# Altium PCB ArduinoZeroV4.0.PcbDoc (part 1 of 2)
Units mm, origin at the board's own origin, x right, y up, seen from the top; angles counter-clockwise.
Board outline 68.58 x 53.34 mm, 4 copper layers (Top, Route2, Route15, Bottom), stack 0.925 mm thick; 124 components, 100 nets, 476 pads, 157 vias.
Unrouted connection lines stored in the file: 8.
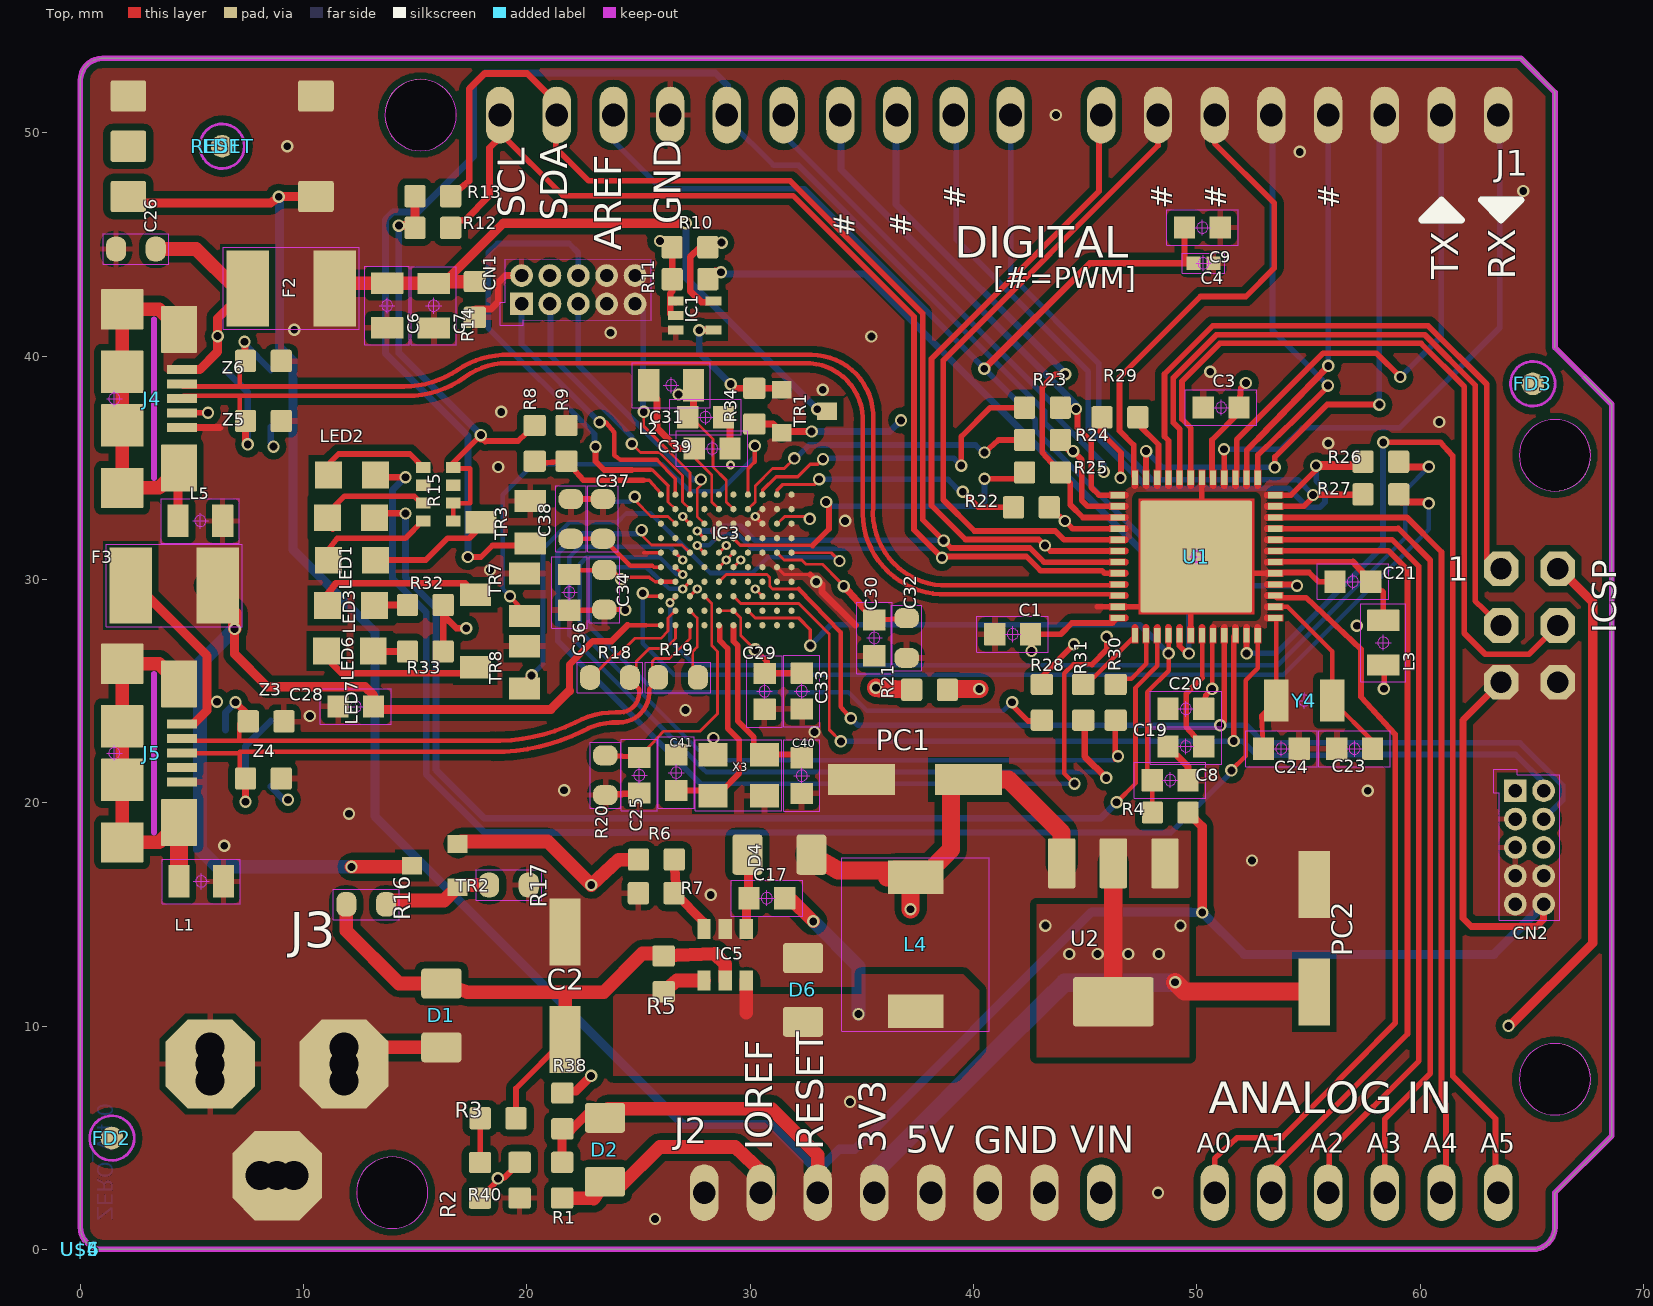
[diagram p0: Top view]
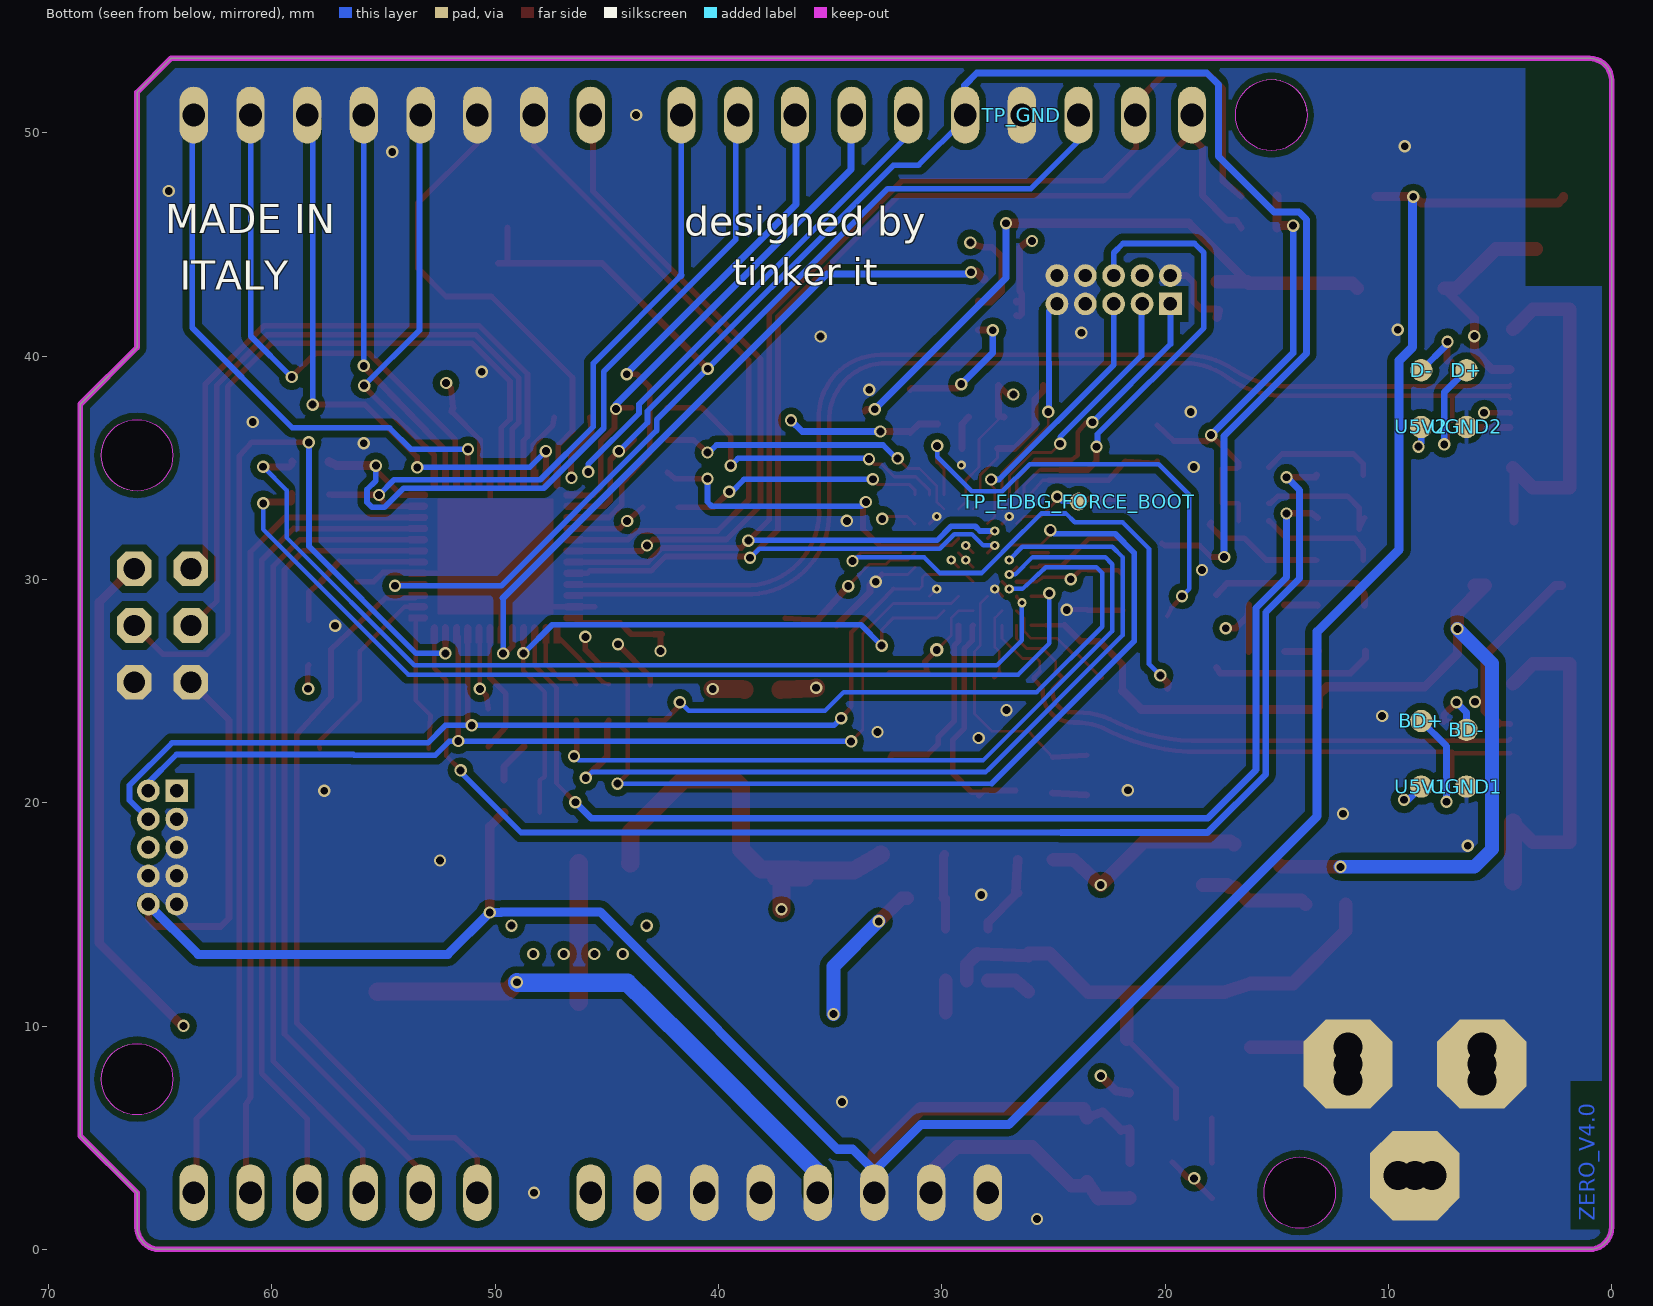
[diagram p1: Bottom view, seen from below]
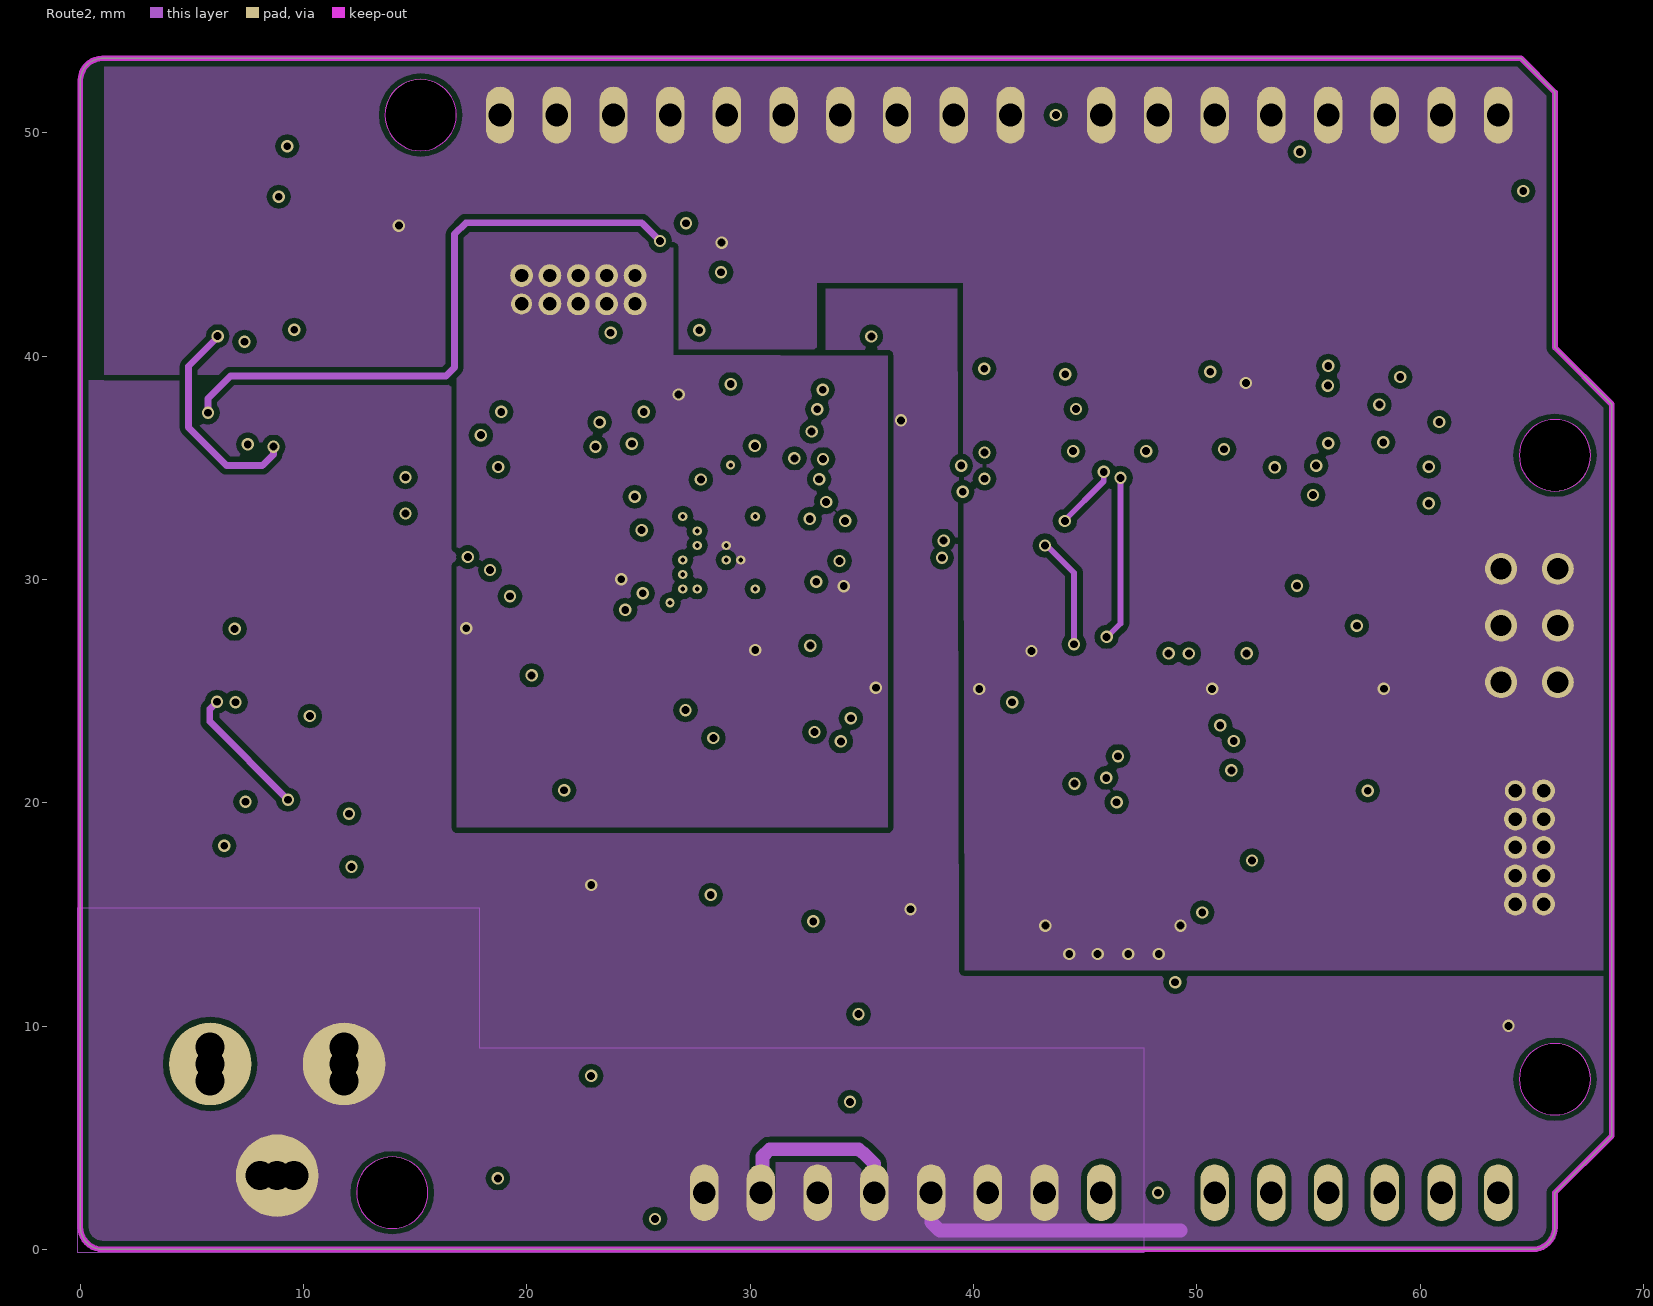
[diagram p2: Route2]
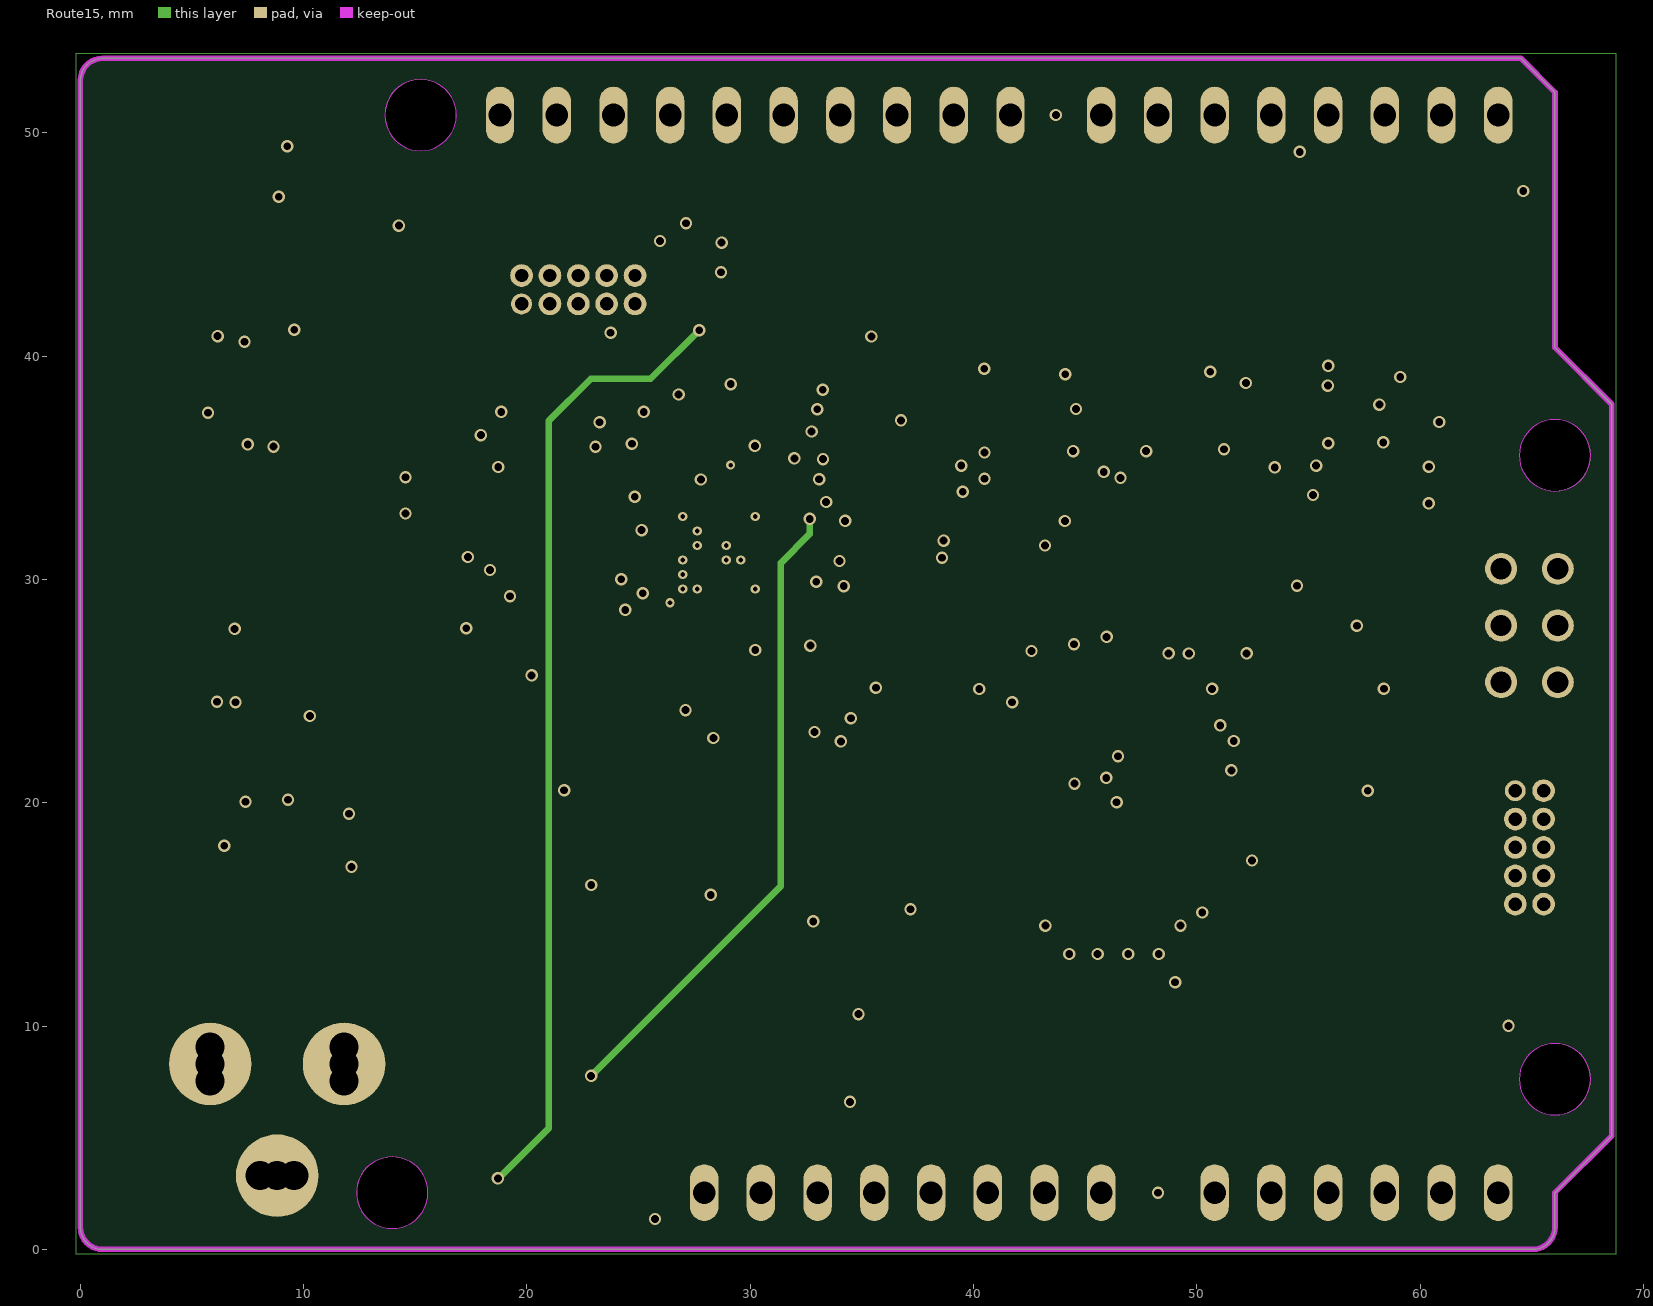
[diagram p3: Route15]

## Layer stack, top to bottom
Top Solder: solder mask 0.0102, Solder Resist, Dk 3.5
Top: signal copper 0.035
Dielectric 1: core 0.2, FR-4, Dk 4.8
Route2: signal copper 0.0175
Dielectric2: core 0.3, FR-4, Dk 4.8
Route15: signal copper 0.0175
Dielectric3: dielectric 0.32, FR-4, Dk 4.8
Bottom: signal copper 0.035
Bottom Solder: solder mask 0.0102, Solder Resist, Dk 3.5

## Board outline
64.516,53.34 66.04,51.816 66.04,40.386 68.58,37.846 68.58,5.08 66.04,2.54 66.04,1 cw(c65.04,1) 65.04,0 1,0 cw(c1,1) 0,1 0,52.34 cw(c1,52.34) 1,53.34
cut-out: 15.24,49.2 ccw(c15.24,50.8) 16.84,50.8 ccw(c15.24,50.8) 15.24,52.4 ccw(c15.24,50.8) 13.64,50.8 ccw(c15.24,50.8)
cut-out: 13.97,0.94 ccw(c13.97,2.54) 15.57,2.54 ccw(c13.97,2.54) 13.97,4.14 ccw(c13.97,2.54) 12.37,2.54 ccw(c13.97,2.54)
cut-out: 66.04,33.96 ccw(c66.04,35.56) 67.64,35.56 ccw(c66.04,35.56) 66.04,37.16 ccw(c66.04,35.56) 64.44,35.56 ccw(c66.04,35.56)
cut-out: 66.04,6.02 ccw(c66.04,7.62) 67.64,7.62 ccw(c66.04,7.62) 66.04,9.22 ccw(c66.04,7.62) 64.44,7.62 ccw(c66.04,7.62)

## Design rules (kind name [scope] priority, off if disabled: settings)
BoardOutlineClearance mdCopperDimension [All] p1: gap=0.254 ignorepadtopadclearanceinfootprint=FALSE except(0: Arc-SplitContinuation Track-SplitContinuation SMDPad-SplitContinuation THPad-SplitContinuation Via-SplitContinuation Fill-SplitContinuation Poly-SplitContinuation Region-SplitContinuation Text-SplitContinuation)
Clearance Clearance_for_PolygonClass_Isolate_12 [InPolygonClass('Isolate_12') vs IsArc Or IsTrack Or IsPad Or IsVia Or IsFill Or IsRegion Or IsText] p1: gap=0.305 ignorepadtopadclearanceinfootprint=FALSE
Clearance Clearance_for_PolygonClass_Isolate_10 [InPolygonClass('Isolate_10') vs IsArc Or IsTrack Or IsPad Or IsVia Or IsFill Or IsRegion Or IsText] p2: gap=0.254 ignorepadtopadclearanceinfootprint=FALSE
Clearance "Clearance (Same Net)" [All] p3: gap=0.127 ignorepadtopadclearanceinfootprint=FALSE
Clearance Clearance_for_NetClass_USBpair_And_default [InNetClass('USBpair') vs IsArc Or IsTrack Or IsPad Or IsVia Or IsFill Or IsRegion Or IsText] p4: gap=0.076 ignorepadtopadclearanceinfootprint=FALSE
Clearance Clearance_for_NetClass_usbvcc [InNetClass('usbvcc') vs InNetClass('usbvcc')] p5: gap=0.178 ignorepadtopadclearanceinfootprint=FALSE
Clearance Clearance_for_NetClass_gnd [InNetClass('gnd') vs InNetClass('gnd')] p6: gap=0.178 ignorepadtopadclearanceinfootprint=FALSE
Clearance Clearance_for_NetClass_USB [InNetClass('USB') vs InNetClass('USB')] p7: gap=0.178 ignorepadtopadclearanceinfootprint=FALSE
Clearance [All] p8: gap=0.127 ignorepadtopadclearanceinfootprint=FALSE except(0.076: THPad-THPad THPad-Via Via-Via)
HoleSize HoleSize_For_NetClass_USBpair [InNetClass('USBpair')] p1: absolutevalues=TRUE maxlimit=0.2 minlimit=0.2 maxpercent=80.000 minpercent=20.000
HoleSize HoleSize_For_NetClass_usbvcc [InNetClass('usbvcc')] p2: absolutevalues=TRUE maxlimit=0.2 minlimit=0.2 maxpercent=80.000 minpercent=20.000
HoleSize HoleSize_For_NetClass_gnd [InNetClass('gnd')] p3: absolutevalues=TRUE maxlimit=0.2 minlimit=0.2 maxpercent=80.000 minpercent=20.000
HoleSize HoleSize_For_NetClass_USB [InNetClass('USB')] p4: absolutevalues=TRUE maxlimit=0.2 minlimit=0.2 maxpercent=80.000 minpercent=20.000
HoleSize [All] p5: absolutevalues=TRUE maxlimit=2540 minlimit=0.199 maxpercent=80.000 minpercent=20.000
HoleToHoleClearance mdDrill [All] p1: gap=0.203 allowstackedmicrovias=TRUE
MinimumSolderMaskSliver [All] p1 off: minsoldermaskwidth=0.254
PasteMaskExpansion Expansion_SMDPaste_OFF [InPadClass('SMDPaste_OFF')] p1: expansion=0
PasteMaskExpansion mlMinCreamFrame [All] p2: expansion=0
PolygonConnect PolygonConnect_For_PolygonThermal_ON_Width100000_Gap100000 [InPolygonClass('PolygonThermal_ON_Width100000_Gap100000') vs Not IsVia] p1: connectstyle=Relief reliefconductorwidth=0.254 reliefentries=4 polygonreliefangle="90 Angle" airgapwidth=0.254
PolygonConnect PolygonConnect_For_PolygonThermal_ON_Width80000_Gap100000 [InPolygonClass('PolygonThermal_ON_Width80000_Gap100000') vs Not IsVia] p2: connectstyle=Relief reliefconductorwidth=0.203 reliefentries=4 polygonreliefangle="90 Angle" airgapwidth=0.254
PolygonConnect PolygonConnect_For_PolygonThermal_ON_Width120000_Gap100000 [InPolygonClass('PolygonThermal_ON_Width120000_Gap100000') vs Not IsVia] p3: connectstyle=Relief reliefconductorwidth=0.305 reliefentries=4 polygonreliefangle="90 Angle" airgapwidth=0.254
PolygonConnect PolygonConnect_For_PolygonThermal_ON_Width160000_Gap100000 [InPolygonClass('PolygonThermal_ON_Width160000_Gap100000') vs Not IsVia] p4: connectstyle=Relief reliefconductorwidth=0.406 reliefentries=4 polygonreliefangle="90 Angle" airgapwidth=0.254
PolygonConnect PolygonConnect_For_PolygonThermal_ON_Width240000_Gap100000 [InPolygonClass('PolygonThermal_ON_Width240000_Gap100000') vs Not IsVia] p5: connectstyle=Relief reliefconductorwidth=0.61 reliefentries=4 polygonreliefangle="90 Angle" airgapwidth=0.254
PolygonConnect ThermalVias [IsVia] p6: connectstyle=Direct reliefconductorwidth=0.254 reliefentries=4 polygonreliefangle="90 Angle" airgapwidth=0.254
PolygonConnect [All] p7: connectstyle=Relief reliefconductorwidth=0.254 reliefentries=4 polygonreliefangle="90 Angle" airgapwidth=0.254
RoutingVias [All] p1: holewidth=0.199 width=0.402 viastyle="Through Hole" minholewidth=0.199 minwidth=0.402 maxholewidth=2.54 maxwidth=2.54
SolderMaskExpansion Expansion_SMDSolder_OFF [InPadClass('SMDSolder_OFF')] p1: expansion=0 istentingtop=FALSE
SolderMaskExpansion mlMinStopFrame [All] p2: expansion=0.102 istentingtop=FALSE
Width Width_For_NetClass_USBpair [InNetClass('USBpair')] p1: maxlimit=0.254 minlimit=0.127 preferedwidth=0.127
Width Width_For_NetClass_usbvcc [InNetClass('usbvcc')] p2: maxlimit=0.254 minlimit=0.127 preferedwidth=0.127
Width Width_For_NetClass_gnd [InNetClass('gnd')] p3: maxlimit=0.254 minlimit=0.127 preferedwidth=0.127
Width Width_For_NetClass_USB [InNetClass('USB')] p4: maxlimit=0.254 minlimit=0.127 preferedwidth=0.127
Width [All] p5: maxlimit=0.254 minlimit=0.126 preferedwidth=0.126
26 further rules are at their usual default settings.

## Classes and differential pairs
polygon class PolygonThermal_ON_Width100000_Gap100000: Polygon_1_Net_PWRIN Polygon_1_Net_SW Polygon_2_Net_+3V3 Polygon_2_Net_GND
polygon class PolygonThermal_ON_Width80000_Gap100000: Polygon_1_Net_GND
polygon class PolygonThermal_ON_Width120000_Gap100000: Polygon_1_Net_VCC_EDBG_3V3
polygon class PolygonThermal_ON_Width160000_Gap100000: Polygon_1_Net_+3V3 Polygon_3_Net_GND
polygon class PolygonThermal_ON_Width240000_Gap100000: Polygon_1_Net_+5V
polygon class Isolate_12: Polygon_1_Net_GND Polygon_2_Net_GND
polygon class Isolate_10: Polygon_1_Net_+3V3 Polygon_1_Net_+5V Polygon_1_Net_PWRIN Polygon_1_Net_VCC_EDBG_3V3
pad class SMDSolder_OFF: IC3-A1 IC3-A2 IC3-A3 IC3-A4 IC3-A5 IC3-A6 IC3-A7 IC3-A8 IC3-A9 IC3-A10 IC3-B1 IC3-B2 IC3-B3 IC3-B4 IC3-B5 IC3-B6 IC3-B7 IC3-B8 IC3-B9 IC3-B10 IC3-C1 IC3-C2 IC3-C3 IC3-C4 IC3-C5 IC3-C6 IC3-C7 IC3-C8 IC3-C9 IC3-C10 IC3-D1 IC3-D2 IC3-D3 IC3-D4 IC3-D5 IC3-D6 IC3-D7 IC3-D8 IC3-D9 IC3-D10 IC3-E1 IC3-E2 IC3-E3 IC3-E4 IC3-E5 IC3-E6 IC3-E7 IC3-E8 IC3-E9 IC3-E10 IC3-F1 IC3-F2 IC3-F3 IC3-F4 IC3-F5 IC3-F6 IC3-F7 IC3-F8 IC3-F9 IC3-F10 IC3-G1 IC3-G2 IC3-G3 IC3-G4 IC3-G5 IC3-G6 IC3-G7 IC3-G8 IC3-G9 IC3-G10 IC3-H1 IC3-H2 IC3-H3 IC3-H4 IC3-H5 IC3-H6 IC3-H7 IC3-H8 IC3-H9 IC3-H10 IC3-J1 IC3-J2 IC3-J3 IC3-J4 IC3-J5 IC3-J6 IC3-J7 IC3-J8 IC3-J9 IC3-J10 IC3-K1 IC3-K2 IC3-K3 IC3-K4 IC3-K5 IC3-K6 IC3-K7 IC3-K8 IC3-K9 IC3-K10 U1-1 U1-2 U1-3 U1-4 U1-5 U1-6 U1-7 U1-8 U1-9 U1-10 U1-11 U1-12 U1-13 U1-14 U1-15 U1-16 U1-17 U1-18 U1-19 U1-20 U1-21 U1-22 U1-23 U1-24 U1-25 U1-26 U1-27 U1-28 U1-29 U1-30 U1-31 U1-32 U1-33 U1-34 U1-35 U1-36 U1-37 U1-38 U1-39 U1-40 U1-41 U1-42 U1-43 U1-44 U1-45 U1-46 U1-47 U1-48 U1-49
pad class SMDPaste_OFF: BD+-X BD--X D+-X D--X FD1-P$1 FD2-P$1 FD3-P$1 RESET-5 TP_EDBG_FORCE_BOOT-X TP_GND-X U1-1 U1-2 U1-3 U1-4 U1-5 U1-6 U1-7 U1-8 U1-9 U1-10 U1-11 U1-12 U1-13 U1-14 U1-15 U1-16 U1-17 U1-18 U1-19 U1-20 U1-21 U1-22 U1-23 U1-24 U1-25 U1-26 U1-27 U1-28 U1-29 U1-30 U1-31 U1-32 U1-33 U1-34 U1-35 U1-36 U1-37 U1-38 U1-39 U1-40 U1-41 U1-42 U1-43 U1-44 U1-45 U1-46 U1-47 U1-48 U1-49 U5V1-X U5V2-X UGND1-X UGND2-X
net class USBpair: BD+ BD- TARGET_USB_N TARGET_USB_P
net class usbvcc: +5V USBVCC XUSB XVCC
net class gnd: GND N$6 N$15
net class USB: PWRIN SW VIN_SW
